# Altium PCB TIDA-01576_ADS8686S_AFE.PcbDoc (part 2 of 3) (continued)
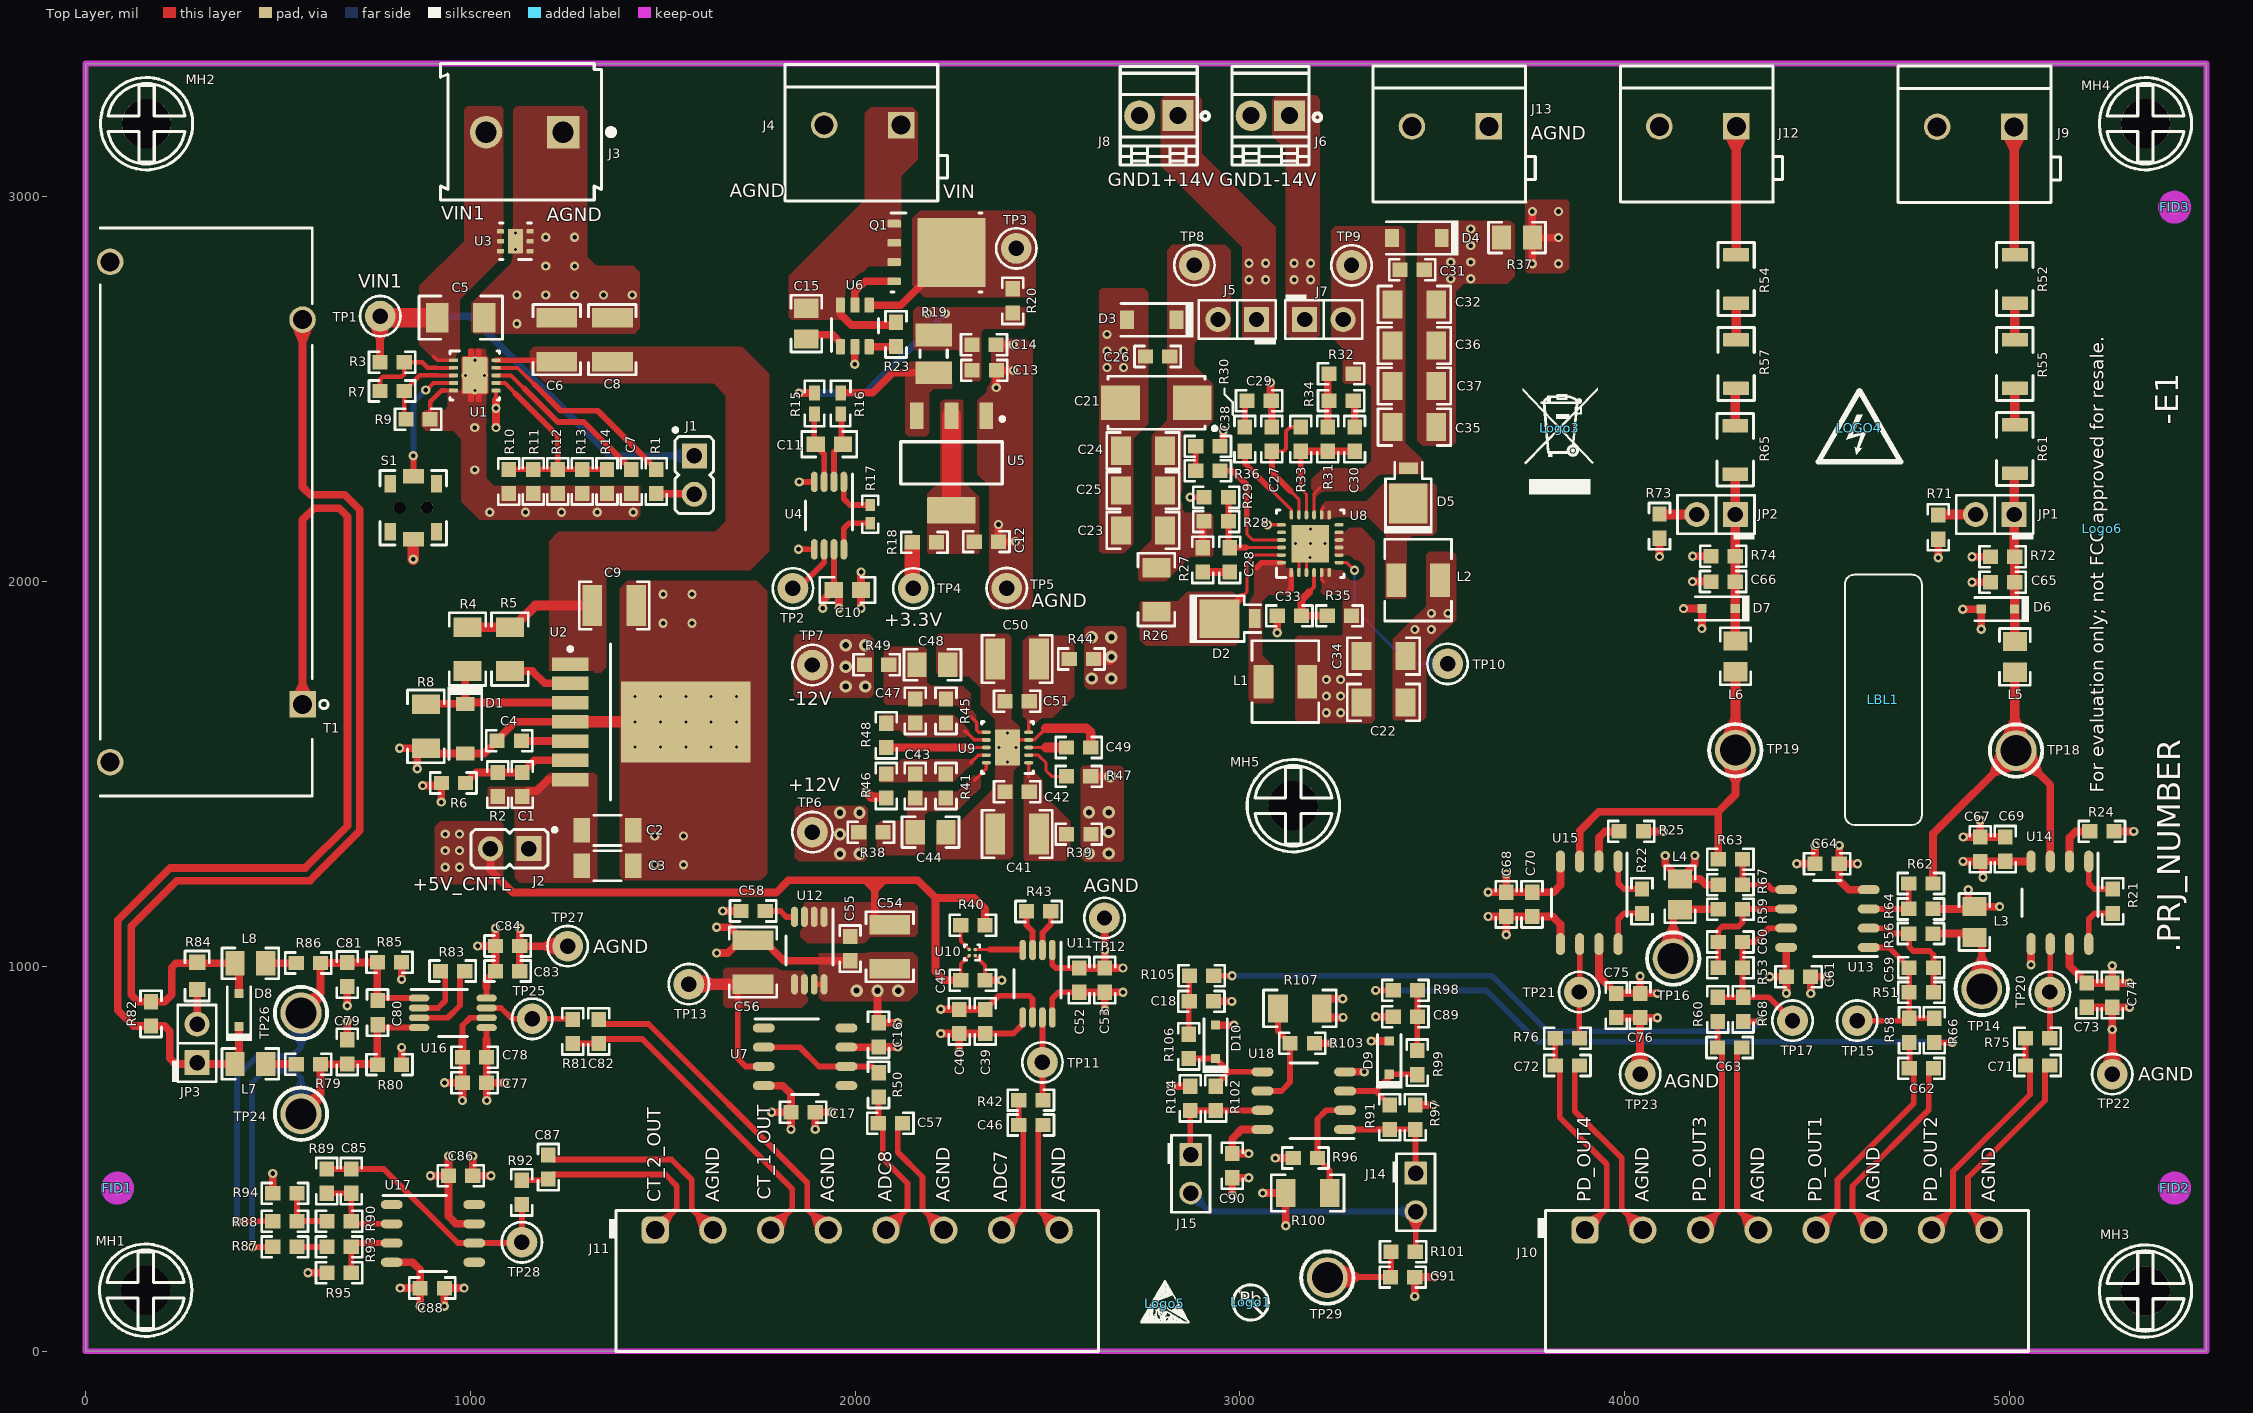
[diagram p0: Top Layer view]
## Nets (pads, with @x,y where several pads share a name; then routed paths per layer and width w, separated by ;. In a path a pad name is that pad's centre, name@x,y a point inside that pad or via, vN(x,y) a via of type N, cw(c..) or ccw(c..) an arc to the next point about the centre after c; other vN are vias at no path point)
+3.3V: R18.2 R97.2 R104.2 TP4.1 | length 216.2
  Top Layer w20: v1(2821.37,688.68) R104.2@2870.94,688.68 ; R97.2@3455.94,639.68 v1(3502,639.68)
  Top Layer w40: R18.2@2148.5,2102 2148.5,1985.35 TP4.1@2151.31,1982.54
+5V_CNTL: C10.2 C13.1 C14.1 C22.1 C34.1 C45.1 C54.2 C55.1 J2.2 L1.1 R15.1 R19.1 R20.2 R35.1 R40.2 U4.7 U8.5 U8.6 U8.8 U8.9 U8.10 U8.11 U10.A2 U12.1 U12.2 U12.3 | length 2767.4
  Top Layer w8: 2282,1014 U10.A2@2296.25,1028.25 ; U8.5@3212.33,2023.72 3212.33,2004.67 3218,1999
  Top Layer w10: C45.1@2274.5,964 2274.5,1006.5 2282,1014
  Top Layer w15: C10.2@1929,1965 C10.2@1929.54,1964.46 ; C10.2@1944.57,1978 1945.1,1978.54 U4.7@1945.1,2083.94
  Top Layer w20: J2.2@1052.23,1305.88 1052.23,1250.77 1111,1192 1794.89,1192 1826.89,1224 1873.13,1224 ; v1(1854,2490) 1893.71,2490 R15.1@1894.31,2490.6 ; 1873.31,1224 1873.13,1224 ; v1(1916.1,1931) 1916.1,1951.03 C10.2@1944.57,1978 1958,1964.57 v1(1958,1931) ; 2026.46,1224 2051,1199.46 2075.54,1224 ; 2051,1224 2051,1108.28 C54.2@2089.91,1108.28 ; C45.1@2274.5,964 2231,964 2209,986 2209,1177.85 ; R40.2@2337.5,1107 2337.5,1149.5 2309.15,1177.85 2209,1177.85 ; 1873.13,1224 2162.85,1224 2209,1177.85
  Bottom Layer w20: v1(1854,2490) 2027,2490 v1(2234,2697)
  other v1: 935,1258 972,1258 935,1301 972,1301 935,1344 972,1344 3224.67,1659.48 3261.67,1659.48 3224.67,1702.48 3261.67,1702.48 3224.67,1745.48 3261.67,1745.48 2188,2696.98
+12V: C16.2 C52.1 C53.1 C61.2 C73.1 C74.1 C75.1 C76.1 C83.1 C84.1 C86.2 C90.2 R38.2 R96.2 R103.2 TP6.1 U7.7 U11.8 U13.8 U14.7 U15.7 U16.8 U17.7 U18.8 | length 1937.6
  Top Layer w15: U16.8@1042.2,917.77 1042.2,946 ; U11.8@2512.39,867.4 2512.39,916.39 2528.81,932.81 C52.1@2582.07,932.81
  Top Layer w20: v1(896.3,456.2) C86.2@943.5,456.2 ; v1(943.5,507.5) C86.2@943.5,456.2 ; U17.7@1010.28,331.2 962.8,331.2 943.5,350.5 C86.2@943.5,456.2 ; v1(1019,1053) C84.1@1065.5,1053 ; 1042.2,946 1042.2,964.69 C83.1@1065.5,988 C84.1@1065.5,1053 ; v1(1065.5,1099.46) C84.1@1065.5,1053 ; U7.7@1977.19,790.19 2060.41,790.19 C16.2@2060.91,790.69 v1(2110.5,790.69) ; C52.1@2582.07,932.81 C53.1@2649.07,932.81 ; v1(2649.07,885.88) C53.1@2649.07,932.81 ; v1(2696,932.81) C53.1@2649.07,932.81 ; v1(3023,513.68) C90.2@2979.94,513.68 2979.94,551.96 3004.16,576.18 U18.8@3058.65,576.18 ; v1(3092,502) 3138.26,502 R96.2@3138.44,502.18 ; R103.2@3193.25,800 R103.2@3193.43,800.18 v1(3239.69,800.18) ; U15.7@3932.89,1058.17 3932.89,974.87 C75.1@3977.81,929.95 C76.1@4039.89,929.95 4040,930.06 v1(4040,975) ; C76.1@4040.11,929.95 v1(4085.05,929.95) ; v1(4376.5,973.5) C61.2@4420.13,973.46 ; U13.8@4419.34,1049.46 4419.34,974.24 C61.2@4420.13,973.46 ; v1@4420.13,930.5 C61.2@4420.13,973.46 ; U14.7@5155.89,1058.17 5155.89,1001.95 C73.1@5200.89,956.95 C74.1@5266.89,956.95 5267,957.06 v1(5267,1002) ; C74.1@5267.11,956.95 v1(5312.05,956.95)
  other v1: 4420.17,930.54
  other v3: 1960.58,1292.5 2011.58,1292.5 1960.58,1343.5 1960.58,1399.5 2011.58,1399.5
+14V: J5.1 J8.1 R39.1 R47.1 | length 50.7
  Top Layer w20: R47.1@2612.5,1493.93 2662.5,1493.93 v3(2663,1493.43)
  other v1: 3023.67,2784.48 3066.67,2784.48 3023.67,2827.48 3066.67,2827.48
  other v3: 2608,1293.43 2659,1293.43 2659,1349.43 2608,1400.43 2659,1400.43
-12V: C17.2 C39.1 C40.1 C64.2 C67.1 C68.1 C69.1 C70.1 C77.1 C78.1 C88.2 R49.2 TP7.1 U7.4 U11.5 U13.4 U14.4 U15.4 U16.5 U17.4 | length 1726
  Top Layer w15: 1042.2,811.47 U16.5@1042.2,841 ; C39.1@2338.25,825.5 2411.5,825.5 2435.61,849.61 U11.5@2435.61,867.4
  Top Layer w20: U17.4@795.72,231.2 849.8,231.2 869.5,211.5 C88.2@869.5,164.2 ; v1(818.2,164.2) C88.2@869.5,164.2 ; v1(869.5,117) C88.2@869.5,164.2 ; 1042.2,811.47 1042.2,764.3 C78.1@1042.5,764 C77.1@1042.5,698 ; v1(1042.5,651.54) C77.1@1042.5,698 ; v1(1088.95,698) C77.1@1042.5,698 ; U7.4@1762.63,690.19 1811.81,690.19 1833.5,668.5 C17.2@1833.5,621 ; v1(1783,621) C17.2@1833.5,621 ; v1(1833.5,576.5) C17.2@1833.5,621 ; v1(2222.5,825.5) C40.1@2270.75,825.5 ; v1(2270.75,777.25) C40.1@2270.75,825.5 ; C39.1@2338.25,825.5 C40.1@2270.75,825.5 ; v1(3644.87,1192.85) C68.1@3692.15,1192.85 ; v1(3692.15,1240.13) C68.1@3692.15,1192.85 ; U15.4@3832.89,1272.74 3832.89,1210.89 3814.85,1192.85 C70.1@3759.15,1192.85 C68.1@3692.15,1192.85 ; v1@4557.5,1314.5 C64.2@4557.5,1267 ; v1(4605.03,1266.96) C64.2@4557.5,1267 ; U13.4@4633.91,1199.46 4582.54,1199.46 4557.5,1224.5 C64.2@4557.5,1267 ; v1(4879.04,1272.96) C67.1@4923.89,1272.96 ; v1(4931,1231.48) 4931,1265.85 C67.1@4923.89,1272.96 ; U14.4@5055.89,1272.74 4989.99,1272.74 C69.1@4989.22,1273.5 4924.44,1273.5 C67.1@4923.89,1272.96
  other v1: 4557.54,1314.54
  other v3: 1975.58,1727.5 2026.58,1727.5 1975.58,1778.5 1975.58,1834.5 2026.58,1834.5
-14V: J6.1 J7.1 R44.1 | length 48.7
  Top Layer w30: R44.1@2619.58,1798.93 2660.5,1798.93 v3(2666,1804.43)
  other v1: 3140.67,2784.48 3183.67,2784.48 3140.67,2827.48 3183.67,2827.48
  other v3: 2615,1748.43 2666,1748.43 2615,1855.43 2666,1855.43
ADC7: C46.1 J11.7 R42.2 | length 366.2
  Top Layer w15: J11.7@2380.36,314.82 2437,371.46 2437,576.09 C46.1@2425.2,587.89 R42.2@2425.2,652.66
ADC8: C57.1 J11.5 R50.2 | length 401
  Top Layer w15: R50.2@2060.91,660.69 2060.91,592.9 C57.1@2060.13,592.12 2071.97,580.28 2071.97,500.96 2136.36,436.57 2136.36,370.82 J11.5@2080.36,314.82
AGND: C2.2 C3.2 C4.2 C5.2 C6.2 C8.2 C9.2 C10.1 C12.2 C13.2 C14.2 C16.1 C17.1 C18.1 C39.2 C40.2 C45.2 C46.2 C52.2 C53.2 C54.1 C55.2 C56.1 C57.2 C58.1 C61.1 C62.2 C63.2 C64.1 C65.1 C66.1 C67.2 C68.2 C69.2 C70.2 C71.2 C72.2 C73.2 C74.2 C75.2 C76.2 C77.2 C78.2 C79.2 C81.1 C82.2 C83.2 C84.2 C86.1 C87.2 C88.1 C89.1 C90.1 C91.1 D1.2 D6.2 D7.2 D9.2 D10.2 J3.1 J4.2 J10.2 J10.4 J10.6 J10.8 J11.2 J11.4 J11.6 J11.8 J13.1 L3.1 L4.1 R6.1 R8.1 R24.2 R25.2 R37.1 R64.1 R67.1 R71.1 R72.1 R73.1 R74.1 R80.1 R85.2 R94.2 R95.1 R100.1 R107.1 S1.1 TP5.1 TP12.1 TP22.1 TP23.1 TP27.1 U1.6 U2.4 U2.8 U3.1 U3.2 U3.3 U3.7@1117,2884.72 U4.4 U4.5 U5.1 U6.2 U10.A1 U11.1 U11.6 U12.7 U12.8 U14.5 U15.5 U16.6 U18.4 | length 11482.8
  Top Layer w8: U10.A1@2312,1028.25 2327,1013.25
  Top Layer w10: 1066.8,2471.97 U1.6@1066.8,2496.57 ; 2327,1013.25 2337.5,1002.76 C45.2@2337.5,964
  Top Layer w15: 979.5,808.5 979.5,846.5 999.59,866.59 U16.6@1042.2,866.59 ; C87.2@1203,510.19 1215.19,498 1523.15,498 1575.36,445.79 1575.36,369.82 J11.2@1630.36,314.82 ; C82.2@1334,862.5 1346.19,850.31 1462.84,850.31 1875.36,437.79 1875.36,369.82 J11.4@1930.36,314.82 ; v1(1853,2083.94) U4.5@1893.92,2083.94 ; v1@1856.86,2259.14 U4.4@1893.92,2259.14 ; U12.7@1893.7,953.59 U12.8@1919.3,953.59 ; C57.2@2123.12,592.12 2110.97,579.97 2110.97,517.12 2175.36,452.73 2175.36,369.82 J11.6@2230.36,314.82 ; C39.2@2338.25,888.5 2373.43,923.68 2452.91,923.68 2461.2,915.38 U11.6@2461.2,867.4 ; C46.2@2488.19,587.89 2476,575.7 2476,369.18 J11.8@2530.36,314.82 ; U11.1@2512.39,1042.6 2512.39,1005 2521.59,995.8 C52.2@2582.07,995.8 ; C72.2@3882.39,742.46 3870.27,730.33 3870.27,623.89 3992,502.15 3992,369.96 J10.2@4047,314.96 ; C63.2@4304.12,789.46 4292,777.33 4292,369.96 J10.4@4347,314.96 ; J10.6@4647,314.96 4592,369.96 4592,429.76 4789.89,627.65 4789.89,722.66 C62.2@4802.23,735 ; J10.8@4947,314.96 4892,369.96 4892,451.4 5092,651.4 5092,677 5092.27,730.33 C71.2@5104.39,742.46
  Top Layer w20: R94.2@486.5,410.2 v1(486.5,461.84) ; v1(578.18,204.2) R95.1@627.5,204.2 ; C79.2@680,809.5 v1(680,858.92) ; v1(680,898.08) C81.1@680,947.5 ; v1(816.2,1566.8) R8.1@884.23,1566.8 ; R80.1@821.5,745 v1(821.5,789.69) ; v1(821.5,966.31) R85.2@821.5,1011 ; v1(862,1513.87) 862,1544.57 R8.1@884.23,1566.8 ; v1(876,1470) 918.05,1470 R6.1@924.73,1476.68 v1(924.73,1427) ; v1(932.5,117) C88.1@932.5,164.2 v1(983.8,164.2) ; v1(933.05,698) C77.2@979.5,698 ; v1(979.5,651.54) C77.2@979.5,698 ; 979.5,808.5 C78.2@979.5,764 C77.2@979.5,698 ; v1(1006.5,507.5) C86.1@1006.5,456.2 v1(1053.7,456.2) ; v1(1066.8,2400.39) v1(1066.8,2450.39) 1066.8,2471.97 ; C83.2@1128.5,988 C84.2@1128.5,1053 ; v1(1128.5,1099.46) C84.2@1128.5,1053 ; TP27.1@1253,1052.66 1128.83,1052.66 C84.2@1128.5,1053 ; U2.4@1259.6,1635.68 1116.68,1635.68 1069.73,1588.73 C4.2@1069.73,1586.68 1036.46,1553.41 D1.2@987.23,1553.41 897.61,1553.41 R8.1@884.23,1566.8 ; v1(1640,1034.91) 1668.95,1034.91 1687.04,1053 1719.63,1053 C56.1@1734.91,1068.28 ; v1(1640,1101.64) 1673.94,1101.64 1692.02,1083.55 1719.63,1083.55 C56.1@1734.91,1068.28 ; v1(1656,1144) C58.1@1703.41,1144 ; v1(1896.5,576.5) C17.1@1896.5,621 v1(1938.8,621) ; C55.2@1986.91,1014.69 1814.76,1014.69 1761.18,1068.28 C56.1@1734.91,1068.28 ; v1(1999.24,2565) U6.2@1999.24,2610.29 ; v1(2015.43,1931) C10.1@2015.43,1978 v1(2015.43,2025) ; v3(2058,937) 2058,856.6 C16.1@2060.91,853.69 v1(2110.5,853.69) ; v1(2222.5,888.5) C40.2@2270.75,888.5 C39.2@2338.25,888.5 ; C45.2@2337.5,964 v1(2381,964) ; C14.2@2366.43,2615.42 v1(2411,2615.42) ; v1(2366.97,2504.34) C13.2@2366.97,2548.91 v1(2411.54,2548.91) ; v1(2372.5,2148.57) C12.2@2372.5,2104 v1(2417.07,2104) ; C52.2@2582.07,995.8 C53.2@2649.07,995.8 ; TP12.1@2648,1126 2649.07,1124.93 v1(2649.07,1042.73) C53.2@2649.07,995.8 ; v1(2696,995.8) C53.2@2649.07,995.8 ; C18.1@2931.43,909.18 v1(2979.18,909.18) ; D10.2@2936.94,847.49 v1(2984.49,847.49) ; v1(2979.94,404.69) C90.1@2979.94,450.68 v1(3023,450.68) ; v1(3059,411) 3118.67,411 R100.1@3118.85,411.18 3119,411.03 v1(3119,326) ; R107.1@3212,892.18 3217.94,898.13 3217.94,909.97 3229.79,909.97 3235.71,915.89 v1(3267.14,915.89) ; R107.1@3213.02,891.18 3218.94,885.26 3218.94,873.42 3230.79,873.42 3236.71,867.5 v1(3268.14,867.5) ; U18.4@3273.22,726.18 3316.18,726.18 3316.36,726 v1(3323,726) ; v1(3341,806) 3387.45,806 D9.2@3387.94,806.49 ; v1(3352.5,869.18) C89.1@3398.44,869.18 ; v1(3454.5,142.5) C91.1@3454.5,192.73 v1(3505.73,192.73) ; v1(3644.87,1129.86) C68.2@3692.15,1129.86 ; v1(3692.15,1082.58) C68.2@3692.15,1129.86 ; v1(3760,2826) R37.1@3760,2894 ; v1(3760,2962) R37.1@3760,2894 ; v1(3828,2894) R37.1@3760,2894 ; U15.5@3832.89,1058.17 3832.89,1109.89 3812.93,1129.86 C70.2@3759.15,1129.86 C68.2@3692.15,1129.86 ; C75.2@3977.81,866.96 C76.2@4039.89,866.96 4039.89,720.11 TP23.1@4040,720 ; C76.2@4040,866.85 v1(4084.94,866.85) ; R25.2@4048.5,1350.89 v1(4099.89,1350.89) ; v1(4090.35,2064.98) R73.1@4090.35,2112.94 ; v1(4105,1288) 4105,1266.08 L4.1@4143.63,1227.46 ; v1(4152.58,1929.93) D7.2@4200.54,1929.93 v1(4200.54,1878) ; v1(4176.1,2000.13) C66.1@4224.06,2000.13 ; v1(4176.39,2066.13) R74.1@4224.35,2066.13 ; v1(4182.26,1288) 4182.26,1266.08 L4.1@4143.63,1227.46 ; R67.1@4243.13,1212.46 4210.54,1212.46 4195.54,1227.46 L4.1@4143.63,1227.46 ; v1@4447.01,1267 C64.1@4494.5,1267 v1@4494.5,1314.5 ; v1@4483.12,929.5 C61.1@4483.12,973.46 v1(4526.5,973.5) ; R64.1@4801.12,1149.46 4902.63,1149.46 L3.1@4908.63,1155.46 ; v1(4814.89,2062) R71.1@4814.89,2109.96 ; v1(4878.63,1928.46) D6.2@4926.59,1928.46 v1(4926.59,1876.52) ; v1(4879.58,1336.5) C67.2@4923.89,1336.5 ; v1(4893,1199.46) 4893,1173.83 4910,1156.83 L3.1@4908.63,1155.46 ; v1(4902.44,1998.66) C65.1@4950.4,1998.66 ; v1(4902.44,2064.66) R72.1@4950.4,2064.66 ; v1(4923.89,1380) C67.2@4923.89,1336.5 ; v1(4974.12,1155.46) L3.1@4908.63,1155.46 ; C69.2@4989.22,1336.5 C67.2@4924.44,1336.5 ; v1(5055.89,1004.09) U14.5@5055.89,1058.17 ; C73.2@5200.89,893.96 C74.2@5266.89,893.96 TP22.1@5266.89,720 ; C74.2@5267,893.85 v1(5311.94,893.85) ; R24.2@5271.5,1350.89 v1(5322.89,1350.89) ; C67.2@4923.89,1336.5 C67.2@4924.44,1336.5 ; C67.2@4923.89,1336.5 C67.2@4923.89,1335.95 C67.2@4924.44,1336.5
  Top Layer w30: v1(852,2058) S1.1@852,2110.31 ; U2.4@1259.6,1635.68 v2(1427.99,1635.68) v2(1493.99,1635.68) v2(1559.99,1635.68)
  other v1: 5267,836 4483.16,929.54 1479,1264 1554,1264 4446.97,1267.04 4494.54,1314.54 1479,1339 1554,1339 1501,1892 1576,1892 1501,1967 1576,1967 1855,2259.14 1121,2670 1121,2745 1196,2745 1271,2745 1346,2745 1421,2745 1196,2820 1271,2820 3828,2826 1196,2895 1271,2895 3828,2962
  other v2: 1427.99,1569.68 1493.99,1569.68 1559.99,1569.68 1625.99,1569.68 1691.99,1569.68 1625.99,1635.68 1691.99,1635.68 1427.99,1701.68 1493.99,1701.68 1559.99,1701.68 1625.99,1701.68 1691.99,1701.68 1117,2863.06 1117,2906.37
  other v3: 2112,936.83 2004,937.17
CT_1_OUT: C82.1 J11.3 R81.2 | length 866.7
  Top Layer w15: R81.2@1266,799.5 C82.1@1334,799.5 1345.8,811.31 1446.69,811.31 1836.36,421.64 1836.36,370.82 J11.3@1780.36,314.82
CT_2_OUT: C87.1 J11.1 R92.2 | length 558.8
  Top Layer w15: R92.2@1133.72,444.5 1200.3,444.5 C87.1@1203,447.2 1214.8,459 1507,459 1536.36,429.64 1536.36,370.82 J11.1@1480.36,314.82
GND1: C21.2 C22.2 C23.2 C24.2 C25.2 C26.2 C27.1 C29.1 C31.2 C32.2 C33.2 C34.2 C35.2 C36.2 C37.2 C38.2 C41.1 C42.2 C44.2 C48.2 C49.2 C50.1 C51.2 D3.2 D4.1 J6.2 J8.2 L2.2 R29.2 R37.2 R46.1 U8.2 U8.3 U8.19 U8.25 U9.4 U9.11 | length 728.1
  Top Layer w8: v1(3071.74,2147.74) U8.19@3108,2147.74 ; U8.2@3153.28,2023.72 U8.25@3153.28,2069
  Top Layer w9: U9.11@2396,1568.93 2415.68,1588.61 U9.4@2451.12,1588.61 2465.68,1588.61 2496,1618.93 ; U8.3@3172.96,2023.72 U8.25@3172.96,2088.69
  Top Layer w15: v1(2871,2219) 2906.6,2219 R29.2@2906.98,2219.38
  Top Layer w20: C38.2@2948.37,2351.38 2957,2360.01 v1(2957,2392) ; v1(3079.5,2517.5) 3079.5,2470.5 3083,2466.99 C27.1@3083,2401.99 ; v1(3096.98,1867.02) C33.2@3096.98,1911
  Top Layer w25: v1(2028,1453.93) 2042,1439.93 2078.5,1439.93 R46.1@2081,1437.43 ; 2496,1618.93 2601,1618.93 2612.5,1607.43 C49.2@2612.5,1568.93
  other v1: 3454.67,1875.48 3497.67,1875.48 3497.67,1917.48 3540.67,1917.48 2654.67,2556.48 2697.67,2556.48 2654.67,2599.48 2697.67,2599.48 2654.67,2642.48 3548,2787.35 3600,2787.35 3548,2830.35 3600,2830.35 3600,2873.35 3600,2916.35
  other v2: 2396,1531.53 2373.36,1568.93 2418.64,1568.93 2396,1606.33 3182.5,2063.15 3144.42,2098.53 3182.8,2098.53 3221.19,2098.53 3182.8,2136.91
NetC1_1: C1.1 C2.1 C3.1 J2.1 R2.2 U2.7 | length 142.8
  Top Layer w20: C1.1@1135.23,1441.19 1150.04,1456 1172.64,1456 1202.32,1485.68 U2.7@1259.6,1485.68
NetC1_2: C1.2 R2.1 R6.2 U2.6 | length 296.3
  Top Layer w20: R6.2@987.72,1476.68 1015.22,1504.18 R2.1@1071.23,1504.18 C1.2@1135.23,1504.18 1166.73,1535.68 U2.6@1259.6,1535.68
NetC4_1: C4.1 U2.5 | length 127.3
  Top Layer w20: C4.1@1132.72,1586.68 1133.72,1585.68 U2.5@1259.6,1585.68
NetC6_1: C6.1 C8.1 C9.1 R4.2 R5.2 U1.10 U2.1 | length 506.9
  Top Layer w15: U1.10@1066.8,2575.31 1221.02,2575.31 C6.1@1224.57,2571.77
  Top Layer w25: R4.2@992.54,1881.77 R5.2@1102.54,1881.77 1112.78,1881.77 1169.01,1938 C9.1@1316.91,1938
NetC7_1: C7.1 U1.8 | length 452.6
  Top Layer w10: U1.8@1066.8,2535.94 1106.02,2535.94 1139.96,2502
  Top Layer w15: 1139.96,2502 1226.96,2415 1295.02,2415 C7.1@1418.25,2291.77
NetC7_2: C7.2 R9.1 R10.1 R11.1 R12.1 R13.1 R14.1 U1.5 U1.11@1011.69,2535.94 | length 118.3
  Top Layer w10: 933.07,2496.57 U1.5@956.57,2496.57
  Top Layer w12: R9.1@895.64,2422.27 895.64,2467.64 924.57,2496.57 933.07,2496.57
  other v1: 1050.25,2180.27 1143.54,2180.27 1236.83,2180.27 1330.11,2180.27 1423.4,2180.27 1011.69,2290.27 1011.69,2400.27
  other v2: 1011.69,2496.57 987.08,2535.94 1036.29,2535.94 1011.69,2575.31
NetC11_1: C11.1 R15.2 U4.3 | length 187.1
  Top Layer w15: R15.2@1894.31,2435.48 1893.88,2435.05 1893.88,2356.65 1919.51,2331.01 U4.3@1919.51,2259.14
NetC11_2: C11.2 R16.2 U4.2 | length 185.5
  Top Layer w15: U4.2@1945.1,2259.14 1945.1,2337.01 1964.74,2356.65 1964.74,2433.05 R16.2@1962.31,2435.48
NetC12_1: C12.1 R18.1 U5.2 U5.4 | length 246.1
  Top Layer w50: U5.4@2250.43,2185.36 U5.2@2250.43,2431.42
NetC15_1: C15.1 J4.1 Q1.1 Q1.2 Q1.3 R23.1 U6.6 | length 182.3
  Top Layer w20: U6.6@1961.84,2718.56 1961.84,2695.53 1990.37,2667 2099.12,2667 R23.1@2106.31,2674.18
NetC15_2: C15.2 U6.1 | length 112.1
  Top Layer w20: C15.2@1873.31,2630.54 1883.98,2641.21 1941.79,2641.21 1961.84,2621.16 U6.1@1961.84,2610.29
NetC18_2: C18.2 R105.2 R106.1 | length 153.1
  Top Layer w15: R106.1@2866.94,823.68 2866.94,907.68 C18.2@2868.44,909.18 2868.44,975.54 R105.2@2868.9,976
NetC21_1: C21.1 C23.1 C24.1 C25.1 C26.1 D3.1 J5.2 R26.2 R27.2 R28.2 TP8.1 | length 70
  Top Layer w8: R28.2@2903.47,2152.98 R28.2@2906.98,2156.48
  Top Layer w20: R27.2@2903.47,2087.98 R28.2@2903.47,2152.98
NetC27_2: C27.2 R33.1 U8.17 | length 322.1
  Top Layer w8: 3132,2235 3153.28,2213.72 U8.17@3153.28,2173.33
  Top Layer w10: C27.2@3083,2339 3112.77,2339 3120,2346.23 3120,2391 3130.99,2401.99 R33.1@3158,2401.99
  Top Layer w15: C27.2@3083,2339 3083,2284 3132,2235
NetC28_1: C28.1 R27.1 | length 70
  Top Layer w20: R27.1@2903.47,2024.98 C28.1@2973.47,2024.98
NetC28_2: C28.2 R28.1 R29.1 U8.22 | length 267.3
  Top Layer w8: 3016,2088.69 U8.22@3108,2088.69
  Top Layer w15: R29.1@2969.97,2219.38 R28.1@2969.97,2156.48 2969.97,2092.9 C28.2@2974.18,2088.69 ; C28.2@2973.47,2087.98 C28.2@2974.18,2088.69 ; 3016,2088.69 C28.2@2974.18,2088.69
NetC29_2: C29.2 R30.2 | length 70
  Top Layer w15: R30.2@3013,2401.99 3013,2466.99 C29.2@3016.5,2470.5
NetC30_1: C30.1 R34.1 | length 74.9
  Top Layer w10: C30.1@3294.5,2405.5 C30.1@3298,2401.99 ; R34.1@3294.5,2470.5 R34.1@3298,2466.99
  Top Layer w20: C30.1@3298,2401.99 R34.1@3298,2466.99
NetC30_2: C30.2 R31.1 R33.2 U8.16 | length 311.9
  Top Layer w8: 3158,2276.93 3158,2242 3172.96,2227.04 U8.16@3172.96,2173.33
  Top Layer w15: 3158,2276.93 R33.2@3158,2339
  Top Layer w20: R33.2@3158,2339 C30.2@3298,2339
NetC31_1: C31.1 C32.1 C35.1 C36.1 C37.1 D4.2 D5.2 J7.2 R32.2 TP9.1 U8.15 | length 77
  Top Layer w8: U8.15@3192.65,2173.33 3192.65,2228.65 3208,2244
NetC33_1: C33.1 R35.2 U8.4 | length 193.3
  Top Layer w10: 3179.74,1972.72 3192.65,1985.62 U8.4@3192.65,2023.72
  Top Layer w20: 3179.74,1972.72 3159.97,1952.94 C33.1@3159.97,1911 R35.2@3226.98,1911
NetC38_1: C38.1 R36.2 | length 63
  Top Layer w15: R36.2@2885.38,2288.38 C38.1@2885.38,2351.38
NetC41_2: C41.2 C42.1 R39.2 U9.1 | length 43
  Top Layer w8: 2451.12,1492.93 U9.1@2451.12,1529.56
  Top Layer w25: C42.1@2451.12,1455.31 C42.1@2452.5,1453.93 C42.1@2452.5,1449.52
NetC43_1: C43.1 C44.1 R38.1 R41.2 U9.10 | length 58
  Top Layer w9: 2311,1483.93 2340.88,1513.81 U9.10@2340.88,1529.56
NetC43_2: C43.2 R41.1 R46.2 U9.9 | length 47.9
  Top Layer w9: 2301,1529.93 2320.31,1549.24 U9.9@2340.88,1549.24
NetC47_1: C47.1 C48.1 R45.2 R49.1 U9.6 | length 68.4
  Top Layer w9: 2301,1648.93 2316,1633.93 2316,1613.93 2321.63,1608.3 U9.6@2340.88,1608.3
NetC47_2: C47.2 R45.1 R48.2 U9.7 | length 65.1
  Top Layer w9: 2285,1610.93 2287,1610.93 2309.32,1588.61 U9.7@2340.88,1588.61
NetC49_1: C49.1 U9.3 | length 98.4
  Top Layer w9: U9.3@2451.12,1568.93 2496,1568.93
  Top Layer w25: 2496,1568.93 C49.1@2549.5,1568.93
NetC50_2: C50.2 C51.1 R44.2 U9.5 | length 30.5
  Top Layer w9: U9.5@2451.12,1608.3 2451.12,1638.81
NetC56_2: C56.2 TP13.1 U7.3 U12.5 U12.6 | length 440.5
  Top Layer w15: C56.2@1734.91,954.1 1705.1,954.1 1695,944 1695,761 1715.81,740.19 U7.3@1762.63,740.19
  Top Layer w30: TP13.1@1568,954 1568.1,954.1 C56.2@1705.1,954.1
NetC58_2: C58.2 U12.4 | length 82.4
  Top Layer w15: C58.2@1766.41,1144 1806,1144 1821.21,1128.79 U12.4@1842.52,1128.79
NetC59_1: C59.1 R51.2 R56.1 U13.2 | length 314.1
  Top Layer w15: U13.2@4633.91,1099.46 4682.54,1099.46 4696.54,1085.46 R56.1@4738.13,1085.46 4739.13,1084.46 4739.13,1050.56 4749.69,1040 4791.65,1040 4802.12,1029.52 4802.12,999.46 R51.2@4802.12,932.46
NetC59_2: C59.2 R51.1 R58.1 R66.2 TP15.1 U13.1 | length 429.6
  Top Layer w15: U13.1@4633.91,1049.46 4686.55,1049.46 C59.2@4739.01,997 4739.13,996.88 R51.1@4739.13,932.46 4739.13,866.1 R58.1@4739.73,865.5 ; TP15.1@4636,859 4733.24,859 R58.1@4739.73,865.5 ; R66.2@4804.23,865.5 R58.1@4739.73,865.5
NetC60_1: C60.1 R53.2 R59.1 U13.6 | length 316.3
  Top Layer w15: R53.2@4243.13,996.46 C60.1@4243.13,1063.46 4243.13,1093.52 4253.61,1104 4295.57,1104 4306.12,1114.56 R59.1@4306.12,1148.46 4307.12,1149.46 U13.6@4419.34,1149.46
NetC60_2: C60.2 R53.1 R60.1 R68.2 TP17.1 U13.7 | length 491.9
  Top Layer w15: R60.1@4241.63,919.95 R68.2@4307.63,919.95 ; U13.7@4419.34,1099.46 4374.46,1099.46 4338.46,1063.46 C60.2@4306.12,1063.46 R53.1@4306.12,996.46 4306.12,921.46 R68.2@4307.63,919.95 ; TP17.1@4436,859 4375.05,919.95 R68.2@4307.63,919.95
NetC65_2: C65.2 D6.1 JP1.1 L5.1 R61.1 R72.2 | length 438.8
  Top Layer w25: L5.1@5013.89,1844.46 5013.2,1845.15 D6.1@5013.2,1928.46 5013.39,1928.65 C65.2@5013.39,1998.66 R72.2@5013.39,2064.66 5011.89,2066.15 JP1.1@5011.89,2174.46 5011.89,2279.46 R61.1@5013.89,2281.46
NetC66_2: C66.2 D7.1 JP2.1 L6.1 R65.1 R74.2 | length 434
  Top Layer w25: R65.1@4287.34,2279.44 JP2.1@4287.34,2174.43 R74.2@4287.34,2066.13 4287.05,2065.84 C66.2@4287.05,2000.13 4287.15,2000.03 D7.1@4287.15,1929.93 4287.15,1846.62 L6.1@4287.85,1845.93
NetC79_1: C79.1 C80.1 R79.2 R80.2 R87.2 TP24.1 U16.4 | length 1232.8
  Top Layer w15: v1(434,271) 486.36,271 R87.2@486.5,271.15 ; C80.1@759,848.5 766.5,841 U16.4@867,841
  Top Layer w20: TP24.1@560,617 610.5,667.5 R79.2@610.5,746 679.5,746 C79.1@680,746.5 757,746.5 R80.2@758.5,745 758.5,848.01 C80.1@759,848.5
  Bottom Layer w15: v1(434,271) 434,278.15 433,279.15 433,697 464,728 542,728 560,710 TP24.1@560,617
NetC80_2: C80.2 C81.2 R85.1 R86.2 R88.2 TP26.1 U16.1 | length 1264.6
  Top Layer w15: v1(394,338) 486.35,338 R88.2@486.5,338.16 ; C80.2@759,911.5 765.28,917.77 U16.1@867,917.77
  Top Layer w20: TP26.1@560,879 610.5,929.5 R86.2@610.5,1009 678.5,1009 C81.2@680,1010.5 758,1010.5 R85.1@758.5,1011 758.5,911.99 C80.2@759,911.5
  Bottom Layer w15: v1(394,338) 394,713.15 447.85,767 537,767 560,790 TP26.1@560,879
NetC85_1: C85.1 R89.2 R90.1 U17.2 | length 244.1
  Top Layer w15: R89.2@627,410.7 C85.1@690.5,410.7 R90.1@690.5,338.16 697.45,331.2 U17.2@795.72,331.2
NetC85_2: C85.2 R89.1 R92.1 TP28.1 U17.6 | length 686
  Top Layer w15: R89.1@627,473.7 C85.2@690.5,473.7 775.3,473.7 967.8,281.2 U17.6@1010.28,281.2 1132,281.2 TP28.1@1134,283.2 1134,381.23 R92.1@1133.72,381.5
NetC89_2: C89.2 R98.2 R99.1 | length 156.3
  Top Layer w15: R99.1@3460.94,781.68 3460.94,868.68 C89.2@3461.43,869.18 R98.2@3461.43,937.72
NetC91_2: C91.2 R101.2 TP29.1 | length 231.5
  Top Layer w15: TP29.1@3227,191.4 3228.33,192.73 C91.2@3391.5,192.73 3392.5,193.73 R101.2@3392.5,258.73
NetD1_1: D1.1 R4.1 R8.2 U2.3 | length 464.8
  Top Layer w20: R8.2@884.23,1680.97 885.61,1682.35 D1.1@987.23,1682.35 ; R4.1@992.54,1767.6 987.23,1762.28 D1.1@987.23,1682.35 ; U2.3@1259.6,1685.68 990.56,1685.68 D1.1@987.23,1682.35
NetD2_1: D2.1 R26.1 U8.23 | length 273.9
  Top Layer w8: 3005,1960 3018,1973 3018,2049 3038,2069 U8.23@3108,2069
  Top Layer w20: D2.1@2947,1904 2949,1904 3005,1960
NetD2_2: D2.2 L1.2 U8.1 U8.24 | length 123.2
  Top Layer w15: 3044.1,2037 3056.41,2049.32 U8.24@3108,2049.32 ; 3125.16,1973 3133.59,1981.43 U8.1@3133.59,2023.72
NetD5_1: D5.1 L2.1 U8.13 U8.14 | length 23
  Top Layer w8: U8.14@3212.33,2173.33 3212.33,2188.33 3218,2194
NetD8_1: D8.1 JP3.1 L7.1 R82.2 T1.1 | length 2859.1
  Top Layer w20: D8.1@398.81,843.54 398.81,756.84 L7.1@388.49,746.53 233.81,746.53 218.81,761.52 218.81,831.84 205.31,845.35 R82.2@170.31,845.35 124.99,845.35 83.81,886.53 83.81,1119.68 220.13,1256 571,1256 681,1366 681,2169 659,2191 594,2191 564,2161 T1.1@564,1681
NetD8_2: D8.2 L8.1 R82.1 R84.1 T1.2 | length 2758.9
  Top Layer w20: D8.2@398.81,930.15 398.81,996.85 387.64,1008.02 234.99,1008.02 223.81,996.84 223.81,926.84 205.31,908.34 R82.1@170.31,908.34 137,908.34 118.81,926.53 118.81,1104.68 237.13,1223 583.25,1223 713,1352.75 713,2187 674,2226 584,2226 564,2246 T1.2@564,2681
NetD9_1: D9.1 R91.2 R99.2 U18.3 | length 262.7
  Top Layer w15: U18.3@3273.22,676.18 3352.43,676.18 ; R91.2@3388.94,639.68 3352.43,676.18 ; R99.2@3460.94,718.68 3459.75,719.87 D9.1@3387.94,719.87 3387.94,711.68 3352.43,676.18
NetD10_1: D10.1 R102.2 R106.2 U18.5 | length 258
  Top Layer w15: R106.2@2866.94,760.68 2867.13,760.87 D10.1@2936.94,760.87 2971.63,726.18 ; R102.2@2936.94,688.68 2936.94,691.49 2971.63,726.18 ; U18.5@3058.65,726.18 2971.63,726.18
NetJ1_2: J1.2 R1.2 | length 99.5
  Top Layer w20: R1.2@1483.25,2228.78 1580.22,2228.78 J1.2@1582,2227
NetJ9_1: J9.1 R52.2 | length 333.3
  Top Layer w25: J9.1@5012,3182 5012,2851.34 R52.2@5013.89,2849.45
NetJ12_1: J12.1 R54.2 | length 333.8
  Top Layer w25: R54.2@4289.34,2849.43 4289.34,3182.34 J12.1@4290,3183
NetJ14_1: J14.1 R91.1 R97.1 U18.1 | length 297
  Top Layer w15: U18.1@3273.22,576.18 3388.43,576.18 R91.1@3388.94,576.68 R97.1@3455.94,576.68 3455.94,464.06 J14.1@3457,463
NetJ14_2: J14.2 J15.2 R101.1 | length 709.8
  Top Layer w15: R101.1@3455.5,258.73 3457,260.24 J14.2@3457,363
  Bottom Layer w15: J15.2@2872,411 2920,363 J14.2@3457,363
NetJ15_1: J15.1 R102.1 R104.1 U18.7 | length 303
  Top Layer w15: J15.1@2872,511 2870.94,512.06 R104.1@2870.94,625.68 R102.1@2936.94,625.68 3058.16,625.68 U18.7@3058.65,626.18
NetJP1_2: JP1.2 R71.2 | length 97.6
  Top Layer w25: R71.2@4814.89,2172.95 4816.4,2174.46 JP1.2@4911.89,2174.46
NetJP2_2: JP2.2 R73.2 | length 97.6
  Top Layer w25: R73.2@4090.35,2175.93 4091.85,2174.43 JP2.2@4187.34,2174.43
NetJP3_2: JP3.2 R84.2 | length 90
  Top Layer w20: JP3.2@290,850 R84.2@290,940
NetL3_2: L3.2 R56.2 TP14.1 | length 253.6
  Top Layer w20: R56.2@4801.12,1085.46 4898.63,1085.46 L3.2@4908.63,1075.46 4927.89,1056.19 TP14.1@4927.89,941.46
NetL4_2: L4.2 R59.2 TP16.1 | length 234.3
  Top Layer w20: TP16.1@4125.89,1020.46 4125.89,1129.72 L4.2@4143.63,1147.46 4144.63,1148.46 R59.2@4243.13,1148.46
NetL5_2: L5.2 R62.2 TP18.1 U14.3 | length 964.8
  Top Layer w20: R62.2@4801.12,1215.46 4801.12,1345.12 TP18.1@5017,1561 ; TP18.1@5013.89,1564.11 TP18.1@5017,1561 ; U14.3@5105.89,1272.74 5105.89,1472.11 TP18.1@5017,1561
  Top Layer w25: TP18.1@5013.89,1564.11 L5.2@5013.89,1764.46
NetL6_2: L6.2 R63.2 TP19.1 U15.3 | length 966.3
  Top Layer w20: U15.3@3882.89,1272.74 3882.89,1352.02 3933,1402.13 4243.13,1402.13 ; R63.2@4243.13,1278.46 4243.13,1402.13 ; TP19.1@4287.85,1562.5 4287.85,1446.85 4243.13,1402.13
  Top Layer w25: TP19.1@4287.85,1562.5 L6.2@4287.85,1765.93
NetL7_2: L7.2 R79.1 | length 79.2
  Top Layer w20: L7.2@468.49,746.53 546.98,746.53 R79.1@547.5,746
NetL8_2: L8.2 R86.1 | length 79.4
  Top Layer w20: L8.2@468.49,1008.02 546.53,1008.02 R86.1@547.5,1009
NetQ1_4: Q1.4 U6.5 | length 148.1
  Top Layer w20: U6.5@1999.24,2718.56 1999.24,2753.24 2026.42,2780.42 Q1.4@2101.43,2780.42
NetQ1_5: Q1.5 Q1.6 Q1.7 Q1.8 Q1.9@2251.03,2855.42 R20.1 TP3.1 U6.4 | length 273.8
  Top Layer w20: U6.4@2036.64,2718.56 2118.85,2718.56 2251.03,2850.74 Q1.9@2251.03,2855.42
NetR1_1: R1.1 U1.9 | length 525.7
  Top Layer w10: U1.9@1066.8,2555.63 1123.37,2555.63 1167,2512
  Top Layer w15: 1167,2512 1235,2444 1331.02,2444 R1.1@1483.25,2291.77
NetR3_1: R3.1 R7.2 U1.2 | length 264.2
  Top Layer w10: 912.93,2555.63 U1.2@956.57,2555.63
  Top Layer w12: R7.2@765.19,2495.27 765.19,2525.19 772,2532 821,2532 828.18,2539.18 R3.1@828.18,2570.27 874.94,2570.27 889.58,2555.63 912.93,2555.63
NetR5_1: R5.1 U2.2 | length 170.3
  Top Layer w20: R5.1@1102.54,1767.6 1161.4,1767.6 1193.32,1735.68 U2.2@1259.6,1735.68
NetR7_1: R7.1 R9.2 U1.3 | length 220.1
  Top Layer w10: 914.84,2535.94 U1.3@956.57,2535.94
  Top Layer w12: R9.2@832.65,2422.27 828.18,2426.74 R7.1@828.18,2495.27 868.85,2535.94 914.84,2535.94
NetR10_2: R10.2 R11.2 R12.2 R13.2 R14.2 U1.7 | length 559.8
  Top Layer w10: U1.7@1066.8,2516.26 1089.74,2516.26 1117.56,2488.44
  Top Layer w15: R10.2@1099.83,2291.67 1099.93,2291.77 R11.2@1163.25,2291.77 R12.2@1227.25,2291.77 ; 1117.56,2488.44 1227.25,2378.75 R12.2@1227.25,2291.77 ; R14.2@1355.25,2291.77 R13.2@1291.25,2291.77 R12.2@1227.25,2291.77
NetR16_1: R16.1 R19.2 U5.3 | length 263.3
  Top Layer w20: R16.1@1962.31,2490.6 2045.72,2490.6 2097.9,2542.79 R19.2@2204,2542.79
NetR17_1: R17.1 U4.1 | length 119.2
  Top Layer w15: U4.1@1970.69,2259.14 1970.69,2215.31 1987.03,2198.97 R17.1@2039.31,2198.97
NetR17_2: R17.2 U4.8 | length 128.4
  Top Layer w15: U4.8@1970.69,2083.94 1970.69,2138 1984.42,2151.72 R17.2@2039.31,2151.72
NetR21_1: R21.1 U14.1 | length 124.9
  Top Layer w15: U14.1@5205.89,1272.74 5205.89,1216.11 5221.05,1200.95 R21.1@5267.89,1200.95
NetR21_2: R21.2 U14.8 | length 124.9
  Top Layer w15: U14.8@5205.89,1066.17 5205.89,1122.81 5221.05,1137.96 R21.2@5267.89,1137.96
NetR22_1: R22.1 U15.1 | length 124.9
  Top Layer w15: U15.1@3982.89,1272.74 3982.89,1216.11 3998.05,1200.95 R22.1@4044.89,1200.95
NetR22_2: R22.2 U15.8 | length 124.9
  Top Layer w15: U15.8@3982.89,1066.17 3982.89,1122.81 3998.05,1137.96 R22.2@4044.89,1137.96
NetR23_2: R23.2 U6.3 | length 70
  Top Layer w20: U6.3@2036.64,2610.29 2105.4,2610.29 R23.2@2106.31,2611.19